# Altium PCB 28Pins_Project_V1I1_Pcb.PcbDoc (part 2 of 2)
Units mm, origin at the board's own origin, x right, y up, seen from the top; angles counter-clockwise.
Board outline 68.58 x 53.34 mm, 2 copper layers (L1, L2), stack 1.671 mm thick; 106 components, 71 nets, 323 pads, 105 vias.
Unrouted connection lines stored in the file: 2.
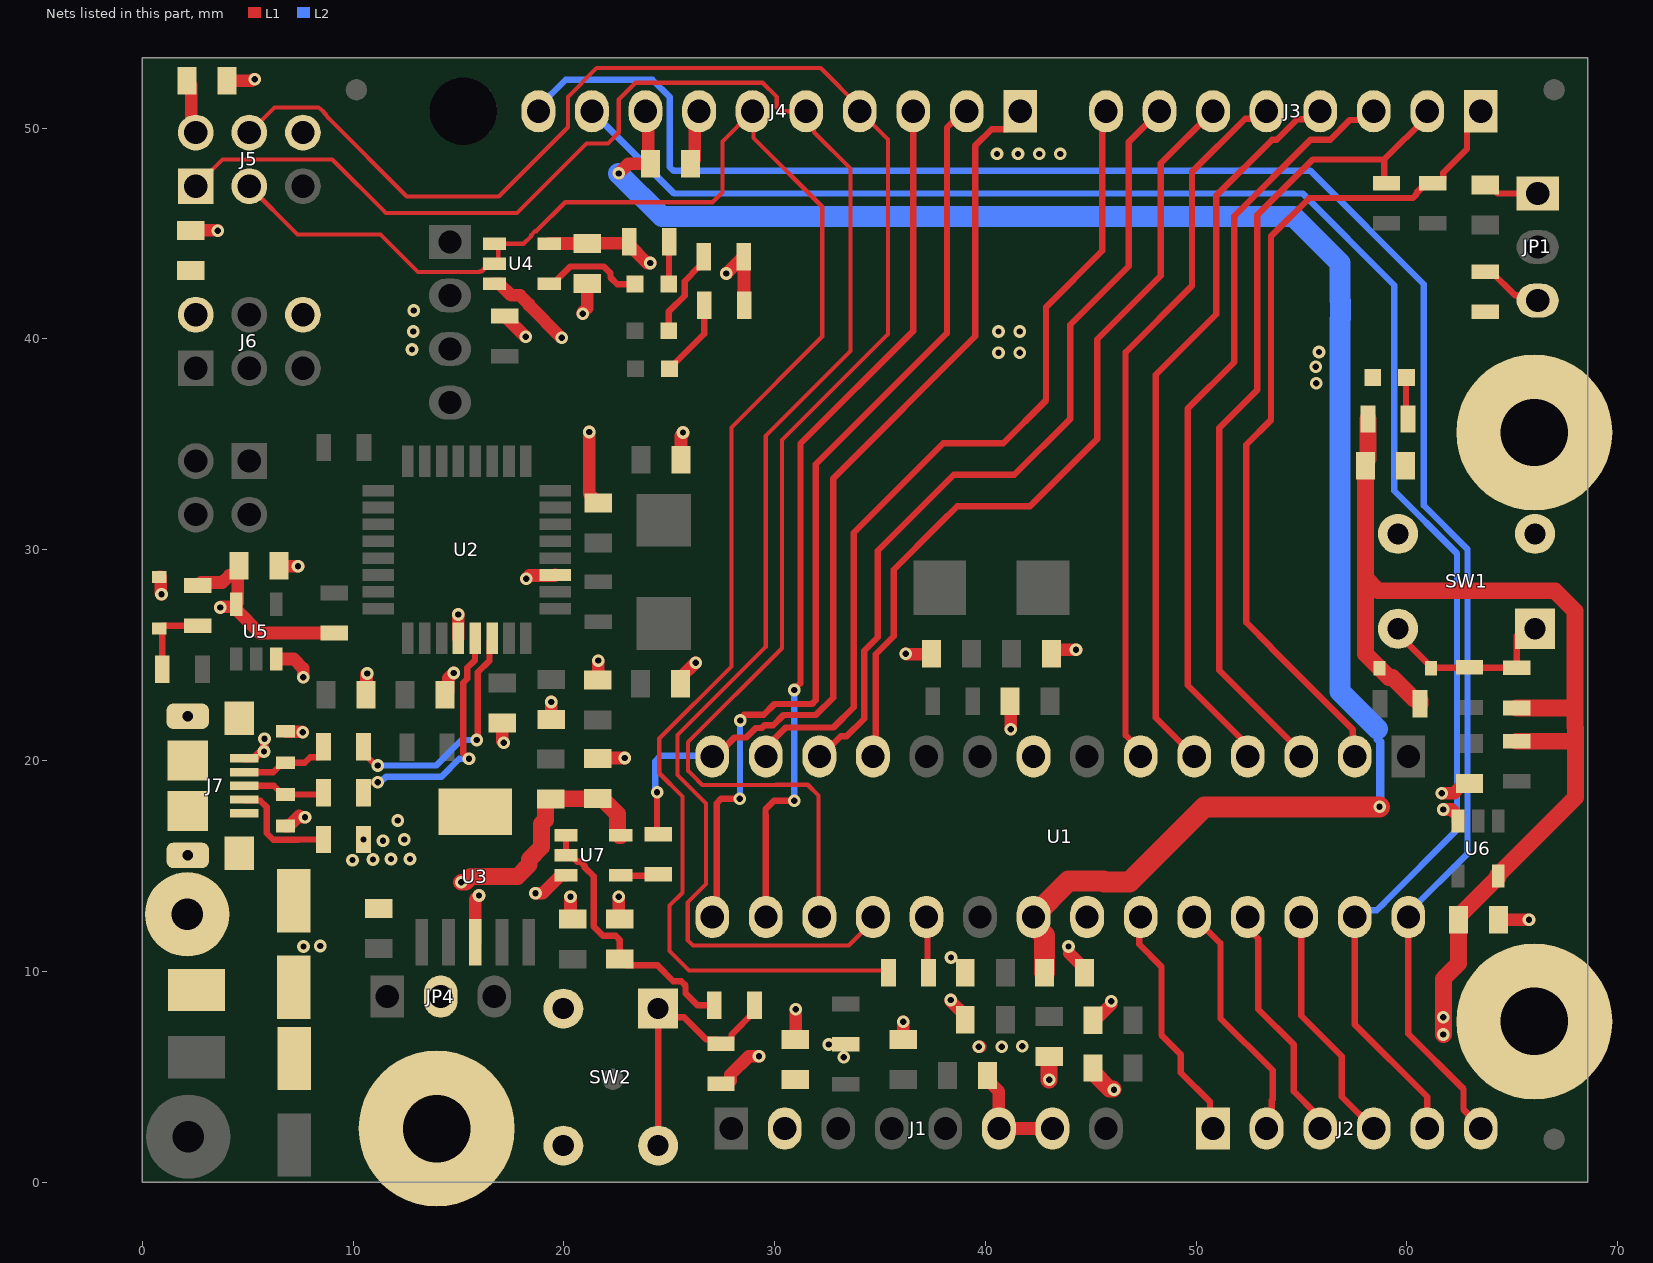
[diagram p2: the nets of this part, all layers, seen from the top]

## Via types
v1: diameter 0.6, hole 0.3, L1 to L2, 85 vias
v2: diameter 0.6, hole 0.3, L1 to L2, tented both sides, 20 vias

## Nets (pads, with @x,y where several pads share a name; then routed paths per layer and width w, separated by ;. In a path a pad name is that pad's centre, name@x,y a point inside that pad or via, vN(x,y) a via of type N, cw(c..) or ccw(c..) an arc to the next point about the centre after c; other vN are vias at no path point) (continued)
+5V/3V3: C8.2 C15.2 C17.2 C26.2 C28.2 C29.2 C30.2 C34.1 D5.1 D6.1 FB1.1 FB2.1 FB3.1 J1.2 J5.2 J6.2 JP4.2 R1.2 R2.2 R3.2 R4.2 R14.2 R15.2 R17.2 R18.2 R19.2 R20.2 R21.2 R27.2 R28.1 U4.5 U5.5 U6.5 U7.5 | length 94.5
  L1 w0.6: D5.1@0.876,28.702 D5.1@0.813,28.702 0.876,28.639 0.876,27.927 v2(0.914,27.889) ; C17.2@2.123,52.248 2.332,52.039 2.332,49.992 J5.2@2.54,49.784 ; R19.2@2.642,28.296 2.792,28.446 3.797,28.446 4.137,28.785 4.337,28.785 C30.2@4.524,28.972 ; v2(3.708,27.254) 3.747,27.292 4.36,27.292 4.46,27.192 4.46,27.161 5.571,26.05 R4.2@9.119,26.05 ; U5.5@4.46,27.411 4.524,27.475 C30.2@4.524,28.972 ; C30.2@4.587,29.235 4.587,29.035 C30.2@4.524,28.972 ; R1.2@17.196,41.082 18.178,40.1 v1(18.2,40.1) ; U4.5@19.309,44.511 19.321,44.524 21.095,44.524 C26.2@21.107,44.536 23.038,44.536 R15.2@23.104,44.602 23.104,44.45 23.954,43.6 v1(24.1,43.6) ; R21.2@27.457,4.663 27.757,4.663 27.907,4.813 27.907,5.1 28.777,5.969 v2(29.261,5.969) ; v1(27.7,43.1) 27.726,43.1 28.526,43.9 R2.2@28.534,43.891 28.547,43.878 28.547,41.618 R3.2@28.56,41.605
  L1 w0.8: v1(15.138,14.224) 15.331,14.224 15.603,14.496 17.796,14.496 18.361,15.061 18.361,15.307 18.95,15.895 18.95,16.999 19.13,17.179 19.13,18.126 19.18,18.176 FB1.1@19.38,18.176 19.388,18.184 21.608,18.184 C29.2@21.615,18.191 21.815,18.191 22.55,17.457 22.55,16.55 22.65,16.45 U7.5@22.7,16.45 ; v1(43.025,4.85) 43.025,5.956 FB3.1@43.028,5.959 ; FB2.1@45.1,5.41 45.1,5.21 45.894,4.417 v2@46.058,4.417 ; R17.2@58.15,36.2 58.15,34.306 58.029,34.185 C34.1@58.029,33.985 58.029,31.396 58.025,31.392 58.025,28.65 ; R14.2@60.615,22.682 60.615,22.882 60.565,22.932 60.313,22.932 59.313,23.932 59.151,23.932 D6.1@58.699,24.384 58.025,25.058 58.025,28.65 ; v2(61.725,7) v1(61.725,7.825) 61.725,9.649 62.448,10.372 C28.2@62.448,12.446 62.448,12.646 62.498,12.696 62.545,12.696 64.323,14.474 U6.5@64.323,14.524 64.323,14.574 68,18.251 68,20.8 ; R18.2@65.202,20.914 67.886,20.914 68,20.8 ; R20.2@65.202,22.494 67.894,22.494 67.975,22.575 ; 58.025,28.65 58.626,28.049 67.024,28.049 67.975,27.099 67.975,22.575 ; 67.975,22.575 67.975,21.575 68,21.55 68,20.8
  other v1: 12.8,39.5
  other v2: 46.1,4.375 33.275,5.925 32.575,6.525 12.85,40.35 12.875,41.35
+5V_USB: C1.1 J7.1 L1.1 | length 1.7
  L1 w0.4: J7.1@4.834,20.098 5.309,20.098 5.598,20.387 5.737,20.387 v1(5.775,20.425) 5.788,20.438 5.788,21.013 v2(5.8,21.025)
  other v1: 8.45,11.2
  other v2: 7.65,11.175
+AREF: C21.1 C24.2 J4.8 U1.21 | length 88.9
  L1 w0.6: v1(22.6,47.85) 23.061,48.311 C21.1@24.12,48.311 23.998,48.433 23.998,50.678 J4.8@23.876,50.8
  L1 w1: C24.2@42.799,9.931 42.799,11.697 42.285,12.211 42.285,12.611 43.947,14.273 45.6,14.273 45.629,14.243 46.843,14.243 50.4,17.8 v1(58.7,17.8)
  L2 w0.4: U1.21@42.285,12.373 U1.21@42.285,12.573 ; 58.6,21.5 58.6,21.015 58.725,20.89 58.725,17.825 v1(58.7,17.8)
  L2 w1: v1(22.6,47.85) 24.65,45.8 54.625,45.8 56.825,43.6 56.825,41.814 56.85,41.789 56.85,40.961 56.825,40.936 56.825,23.275 58.6,21.5 ; J4.8@23.876,50.438 J4.8@23.876,50.8
AD0: J2.1 U1.23 | length 11.5
  L1 w0.3: U1.23@47.365,12.573 47.3,12.508 47.3,11.275 48.35,10.225 48.35,6.975 49.275,6.05 49.275,5.192 50.653,3.814 50.653,2.687 J2.1@50.8,2.54
AD1: J2.2 U1.24 | length 11.7
  L1 w0.3: U1.24@49.905,12.573 51.15,11.328 51.15,7.775 53.625,5.3 53.625,3.926 53.589,3.889 53.589,2.789 J2.2@53.34,2.54
AD2: J2.3 U1.25 | length 11.3
  L1 w0.3: U1.25@52.445,12.573 52.445,12.052 52.95,11.547 52.95,8.2 54.625,6.525 54.625,4.3 55.71,3.215 J2.3@55.71,2.601
AD3: J2.4 U1.26 | length 11.5
  L1 w0.3: U1.26@54.985,12.573 54.985,7.89 56.911,5.964 56.911,4.049 J2.4@58.42,2.54
AD4/SDA: J2.5 J4.9 U1.27 | length 86.6
  L1 w0.3: U1.27@57.525,12.573 57.525,7.475 60.96,4.04 J2.5@60.96,2.54
  L2 w0.3: J4.9@21.336,50.8 21.336,50.789 25.225,46.9 55.05,46.9 59.4,42.55 59.4,32.793 62.372,29.821 62.372,16.707 58.915,13.249 58.915,13.24 58.57,12.895 57.847,12.895 U1.27@57.525,12.573
AD5/SCL: J2.6 J4.10 U1.28 | length 92.2
  L1 w0.3: U1.28@60.065,12.573 60.065,7.035 62.682,4.418 62.682,3.441 63.5,2.623 J2.6@63.5,2.54
  L2 w0.3: J4.10@18.796,50.8 18.796,51 20.095,52.299 24.204,52.299 25.026,51.476 25.026,48.151 25.202,47.975 55.425,47.975 60.8,42.6 60.8,32.1 62.872,30.028 62.872,15.58 60.065,12.773 U1.28@60.065,12.573
BUTTON_RESETn: D6.2 R20.1 R24.1 SW1.1 SW1.2 | length 9
  L1 w0.3: SW1.2@59.031,26.249 59.337,26.249 61.138,24.447 D6.2@61.138,24.384 61.156,24.402 62.949,24.402 R24.1@62.967,24.42 62.979,24.407 65.189,24.407 R20.1@65.202,24.394 65.202,25.92 SW1.1@65.531,26.249
CON_USB_N: J7.2 R6.1 Z1.1 | length 4.4
  L1 w0.3: J7.2@4.834,19.448 6.218,19.448 6.657,19.887 Z1.1@6.807,19.887 7.707,19.887 7.971,20.15 8.4,20.15 8.6,20.35 R6.1@8.6,20.65
CON_USB_P: J7.3 R7.1 Z2.1 | length 4
  L1 w0.3: J7.3@4.834,18.798 6.249,18.798 6.657,18.39 8.524,18.39 R7.1@8.6,18.466
GND: C1.2 C2.2 C3.2 C4.1 C5.1 C6.1 C7.1 C8.1 C9.2 C10.2 C12.1 C13.2 C14.1 C15.1 C16.1 C17.1 C19.2 C20.1 C21.2 C22.2 C23.1 C24.1 C25.2 C26.1 C27.2 C28.1 C29.1 C30.1 C31.1 C32.1 C33.1 C34.2 D1.1 J1.6 J1.7 J4.7 J5.6 J6.6 J7.5 J7.6 J7.7 J7.8 J7.9 J7.10 J7.11 J9.1 MH1.1 MH2.1 MH3.1 R8.2 R12.1 SW1.3 SW1.4 SW2.3 SW2.4 U1.8 U1.22 U2.3 U2.28 U3.3 U3.6 U4.3 U5.3 U6.3 U7.3 Z1.2 Z2.2 | length 56.7
  L1 w0.6: C8.1@2.311,45.146 3.568,45.146 v1(3.58,45.134) ; C17.1@4.023,52.248 5.204,52.248 5.28,52.324 v1(5.334,52.324) ; U5.3@6.36,24.811 7.193,24.811 7.636,24.368 v1(7.636,23.943) ; C30.1@6.487,29.235 6.513,29.21 v1(7.391,29.21) ; Z2.2@6.807,16.89 6.957,16.89 7.443,17.375 7.518,17.3 v1(7.721,17.3) ; Z1.2@6.807,21.387 6.833,21.361 7.595,21.361 v1(7.62,21.336) ; C31.1@10.612,23.114 10.64,23.142 10.64,24.102 v1(10.668,24.13) ; C7.1@14.361,23.114 14.511,23.264 14.511,23.886 v1(14.775,24.15) ; v1(14.986,26.924) 15,26.91 U2.28@15,25.8 ; U3.3@15.8,11.375 15.8,13.42 v1(15.976,13.596) ; U4.3@16.709,42.611 16.959,42.611 17.506,42.063 17.922,42.063 18.346,41.639 18.346,41.604 v1(19.9,40.05) ; C6.1@17.075,21.775 17.075,20.922 v1(17.151,20.845) ; v1(18.225,28.625) 18.375,28.775 19.575,28.775 U2.3@19.6,28.8 ; v1(18.657,13.697) 18.997,13.697 19.85,14.55 U7.3@20.1,14.55 ; C4.1@19.349,21.899 C4.1@19.4,21.95 v1(19.4,22.775) ; v1(20.32,13.538) 20.32,12.573 C13.2@20.422,12.471 ; v1(20.9,41.2) 20.9,41.254 21.107,41.462 C26.1@21.107,42.636 ; v1(21.209,35.585) 21.209,32.649 C5.1@21.641,32.217 ; C29.1@21.615,20.091 21.641,20.117 v1(22.885,20.117) ; C3.2@21.615,23.825 21.59,23.851 21.641,23.901 v1(21.641,24.74) ; v1(22.606,13.538) 22.606,12.532 C33.1@22.657,12.482 ; C10.2@25.537,23.647 25.537,23.937 26.238,24.638 v1(26.264,24.638) ; C9.2@25.563,34.265 25.563,35.414 25.654,35.506 v1(25.654,35.56) ; C21.2@26.02,48.311 26.218,48.509 26.218,50.602 J4.7@26.416,50.8 ; C15.1@30.988,6.767 31,6.779 v1(31,8.2) ; C16.1@36.093,6.767 36.068,6.792 36.1,6.824 v1(36.1,7.6) ; v1(36.22,25.07) 36.246,25.044 C25.2@37.49,25.044 ; v1(38.354,8.636) 38.354,8.587 39.045,7.896 C22.2@39.045,7.696 ; v1(39.681,6.425) v1@39.762,6.425 ; C14.1@40.112,5.075 C14.1@40.091,5.055 40.091,4.855 40.64,4.306 J1.6@40.64,2.54 J1.7@43.18,2.54 ; C20.1@41.163,22.809 41.199,22.774 v1(41.199,21.488) ; C27.2@43.129,25.07 43.307,25.248 v1(44.298,25.248) ; 43.98,10.85 44.699,10.131 C24.1@44.699,9.931 ; C19.2@45.1,7.671 45.151,7.62 45.974,8.443 v1(45.974,8.585) ; v1(61.65,18.45) 62.229,18.45 62.829,19.05 C32.1@62.967,18.913 ; v1(61.722,17.675) 62.122,17.675 62.423,17.374 U6.3@62.423,17.124 ; C28.1@64.348,12.446 v1(65.786,12.446)
  other v1: 40.775,6.425 41.75,6.45 38.37,10.652 43.942,11.176 55.7,37.9 55.675,38.675 40.625,39.35 41.625,39.35 55.825,39.375 40.625,40.35 41.625,40.35 40.55,48.775 41.55,48.775 42.55,48.775 43.55,48.775
  other v2: 9.975,15.275 10.95,15.3 11.8,15.325 12.7,15.325 11.425,16.2 10.5,16.25 12.425,16.25 12.125,17.15
IO0: J3.1 R10.2 U1.2 | length 40.6
  L1 w0.3: U1.2@57.525,20.193 57.433,20.285 57.433,21.467 53.55,25.35 53.55,25.375 52.375,26.55 52.375,34.975 53.55,36.15 53.55,44.875 55.356,46.681 60.276,46.681 60.452,46.857 60.452,46.919 60.914,47.381 61.514,47.381 61.714,47.581 61.714,47.881 62.85,49.017 62.85,50.15 J3.1@63.5,50.8
IO1: J3.2 R11.2 U1.3 | length 39.5
  L1 w0.3: U1.3@54.985,20.193 54.985,20.393 51.1,24.278 51.1,35.775 52.9,37.575 52.9,45.875 55.539,48.514 58.928,48.514 ; R11.2@59.03,47.381 58.928,47.483 58.928,48.514 ; J3.2@60.96,50.8 60.96,50.546 58.928,48.514
IO2: J3.3 U1.4 | length 36.4
  L1 w0.3: U1.4@52.445,20.193 52.445,20.73 49.6,23.575 49.6,36.7 51.8,38.9 51.8,45.825 55.425,49.45 56.356,49.45 57.289,50.383 58.003,50.383 J3.3@58.42,50.8
IO3: J3.4 U1.5 | length 35.1
  L1 w0.3: U1.5@49.905,20.193 48.075,22.023 48.075,38.3 50.95,41.175 50.95,46.8 53.6,49.45 53.816,49.45 54.787,50.421 55.501,50.421 J3.4@55.88,50.8
IO4: J3.5 U1.6 | length 34.1
  L1 w0.3: U1.6@47.365,20.193 47.365,20.482 46.65,21.197 46.65,39.375 49.8,42.525 49.8,47.925 52.324,50.449 52.989,50.449 J3.5@53.34,50.8
IO5: J3.6 U1.11 | length 39.3
  L1 w0.3: U1.11@34.665,20.193 34.798,20.326 34.798,25.044 35.65,25.896 35.65,29.055 37.845,31.25 38.66,32.065 42.115,32.065 45.3,35.25 45.3,39.975 48.325,43 48.325,48.325 J3.6@50.8,50.8
IO6: J3.7 U1.12 | length 39.2
  L1 w0.3: U1.12@32.125,20.193 32.188,20.193 33.14,21.145 33.411,21.145 34.25,21.984 34.25,25.203 34.9,25.854 34.9,29.95 38.5,33.55 41.375,33.55 44.025,36.2 44.025,40.675 46.8,43.45 46.8,49.34 J3.7@48.26,50.8
IO7: J3.8 U1.13 | length 40.3
  L1 w0.3: U1.13@29.585,20.193 29.585,20.619 30.531,21.565 32.791,21.565 33.75,22.523 33.75,30.8 38,35.05 40.85,35.05 42.875,37.075 42.875,41.5 45.55,44.175 45.55,50.63 J3.8@45.72,50.8
IO8: J4.1 R22.2 U1.14 | length 44.9
  L1 w0.3: v1(24.425,18.5) 24.425,16.55 R22.2@24.475,16.5 ; U1.14@27.045,20.193 27.197,20.193 28.096,21.092 28.658,21.092 29.109,21.543 29.387,21.543 29.518,21.674 29.933,21.674 30.42,22.16 31.96,22.16 32.775,22.976 32.775,33.375 39.525,40.125 39.525,49.177 40.298,49.95 41.006,49.95 41.656,50.6 J4.1@41.656,50.8
  L2 w0.3: v1@24.333,18.745 24.333,19.964 24.587,20.218 27.02,20.218 U1.14@27.045,20.193
IO9: J4.2 U1.15 | length 45.4
  L1 w0.3: U1.15@27.045,12.573 27.25,12.778 27.25,17.979 27.457,18.186 v1(28.346,18.186) ; v1(28.372,21.895) 28.372,21.976 28.548,22.152 28.548,22.174 29.489,22.174 29.997,22.682 31.774,22.682 31.95,22.858 31.95,34.05 38.175,40.275 38.175,50.022 38.351,50.197 38.362,50.197 38.964,50.8 J4.2@39.116,50.8
  L2 w0.3: v1(28.346,18.186) 28.359,18.199 28.359,21.882 v1(28.372,21.895)
MISO: J4.5 J5.1 U1.18 | length 89
  L1 w0.2: J5.1@2.54,47.244 3.81,48.514 9.017,48.514 11.557,45.974 17.78,45.974 21.082,49.276 22.098,49.276 22.606,49.784 22.606,51.356 23.4,52.15 29.432,52.15 30.106,51.476 30.106,50.976 30.282,50.8 J4.5@31.496,50.8 31.496,50.248 31.869,49.875 31.869,49.806 33.6,48.075 33.6,39.425 29.575,35.4 29.575,25.383 25.395,21.203 25.395,19.31 25.748,18.957 26.75,17.955 26.75,14.143 25.875,13.267 25.875,11.476 26.127,11.223 33.515,11.223 34.665,12.373 U1.18@34.665,12.573
MOSI: J4.4 J5.4 U1.17 | length 83.6
  L1 w0.2: J5.4@5.08,49.784 6.28,50.984 8.35,50.984 cw(c7.73,49.976) 8.567,50.813 cw(c7.262,49.509) 8.833,50.476 12.548,46.761 16.916,46.761 20.193,50.038 20.193,51.483 21.559,52.849 32.187,52.849 J4.4@34.036,51 ; U1.17@32.125,12.573 32.08,12.618 32.08,18.339 31.572,18.847 30.065,18.847 30.061,18.843 26.569,18.843 26.129,19.283 25.895,19.517 25.895,20.869 30.35,25.324 30.35,35.2 35.375,40.225 35.375,49.461 J4.4@34.036,50.8
NetC11_1: C11.1 JP1.1 | length 2.7
  L1 w0.3: C11.1@63.703,47.305 63.903,47.305 64.308,46.9 JP1.1@66.2,46.9
NetD1_2: D1.2 R17.1 | length 2
  L1 w0.3: D1.2@59.975,38.175 59.95,38.15 59.95,36.3 R17.1@60.05,36.2
NetD2_1: D2.1 U4.4 | length 4.9
  L1 w0.3: U4.4@19.309,42.687 19.559,42.687 20.308,43.436 21.902,43.436 22.217,43.122 22.217,42.91 22.531,42.596 D2.1@23.381,42.596
NetD2_2: D2.2 R15.1 | length 2
  L1 w0.3: D2.2@24.981,42.596 24.992,42.607 24.992,44.591 R15.1@25.004,44.602
NetD3_2: D3.2 R2.1 | length 4.2
  L1 w0.3: D3.2@24.981,40.386 24.981,41.301 25.731,42.051 25.731,42.736 26.386,43.391 26.434,43.391 26.634,43.591 R2.1@26.634,43.891
NetD4_2: D4.2 R3.1 | length 3.7
  L1 w0.3: D4.2@25.006,38.583 26.66,40.236 R3.1@26.66,41.605
NetD5_2: D5.2 R19.1 R23.1 | length 3.9
  L1 w0.3: D5.2@0.813,26.264 D5.2@0.826,26.264 ; R23.1@0.955,24.333 0.955,26.134 D5.2@0.826,26.264 ; R19.1@2.642,26.396 1.008,26.396 0.876,26.264 D5.2@0.826,26.264
NetJ7_4: J7.4 R8.1 | length 5.3
  L1 w0.3: J7.4@4.834,18.148 4.884,18.098 5.604,18.098 5.908,17.794 5.908,16.544 6.212,16.24 7.402,16.24 7.413,16.25 R8.1@8.6,16.25
NetJP1_3: JP1.3 R12.2 | length 3.1
  L1 w0.3: R12.2@63.703,43.19 64.003,43.19 65.125,42.069 65.951,42.069 JP1.3@66.2,41.82
NetR22_1: R22.1 U7.4 | length 1.8
  L1 w0.3: U7.4@22.585,14.544 22.59,14.539 24.328,14.539 R22.1@24.333,14.534
SCK: J4.6 J5.3 R13.2 U4.1 U4.2 | length 86.8
  L1 w0.2: J5.3@5.08,47.244 7.366,44.958 11.303,44.958 13.081,43.18 16.003,43.18 16.034,43.211 16.109,43.211 16.459,43.561 U4.2@16.709,43.561 16.891,43.743 16.891,44.329 U4.1@16.709,44.511 18.095,44.511 18.459,44.875 18.459,44.935 18.634,45.111 18.695,45.111 20.066,46.482 27.051,46.482 27.523,46.954 27.523,49.367 J4.6@28.956,50.8 28.999,50.757 28.999,49.526 32.258,46.267 32.258,40.108 27.95,35.8 27.95,24.465 24.525,21.04 24.525,19.396 25.625,18.296 25.625,13.725 25.019,13.119 25.019,10.956 25.942,10.033 35.296,10.033 R13.2@35.397,9.931
"SCK R": R13.1 U1.19 | length 2.7
  L1 w0.3: U1.19@37.205,12.573 37.251,12.527 37.251,9.978 R13.1@37.297,9.931
SS: J4.3 U1.16 | length 41.7
  L1 w0.3: U1.16@29.585,12.573 29.585,17.405 29.566,17.424 29.566,17.678 29.972,18.085 v1(30.937,18.085) ; v1(30.937,23.343) 30.937,23.381 31.225,23.668 31.225,35.025 36.576,40.376 J4.3@36.576,50.8
  L2 w0.3: v1(30.937,18.085) v1(30.937,23.343)
USB_N: R6.2 U2.30 | length 11.5
  L1 w0.3: R6.2@10.5,20.65 10.5,20.35 11.032,19.819 11.119,19.819 v1(11.176,19.761) ; v1(15.875,20.975) 15.925,21.025 15.925,24.185 16.475,24.735 16.475,25.675 U2.30@16.6,25.8
  L2 w0.3: v1(11.176,19.761) 13.942,19.761 15.156,20.975 v1(15.875,20.975)
USB_P: R7.2 U2.29 | length 12.5
  L1 w0.3: R7.2@10.3,17.966 10.5,18.166 R7.2@10.5,18.466 10.5,18.766 10.7,18.966 11.171,18.966 v1(11.176,18.961) ; v1(15.5,20.075) 15.225,20.35 15.225,23.681 15.425,23.881 15.425,24.392 15.787,24.754 15.787,25.787 U2.29@15.8,25.8
  L2 w0.3: v1(11.176,18.961) 11.257,18.961 11.407,19.111 11.445,19.111 11.562,19.228 14.199,19.228 15.046,20.075 v1(15.5,20.075)
USER_BUTTON: R21.1 R25.1 SW2.1 SW2.2 | length 12.8
  L1 w0.3: SW2.2@24.475,1.728 SW2.1@24.475,8.228 24.876,7.827 25.699,7.827 26.763,6.763 27.257,6.763 R21.1@27.457,6.563 27.757,6.563 27.957,6.763 27.957,6.997 29.042,8.082 R25.1@29.042,8.382
USER_BUTTON_BUF: C33.2 R25.2 U7.1 U7.2 | length 13.2
  L1 w0.3: U7.2@19.985,15.494 20.356,15.494 20.65,15.2 20.795,15.2 21,14.995 21,14.925 21.422,14.503 21.422,12.122 21.862,11.682 22.457,11.682 22.657,11.482 C33.2@22.657,10.582 22.957,10.282 24.443,10.282 25.196,9.528 25.57,9.528 25.775,9.323 25.775,8.949 26.342,8.382 R25.2@27.142,8.382 ; U7.2@20.1,15.5 U7.1@20.1,16.45
pads on no net: FID1.1 FID2.1 FID3.1 FID4.1 J1.1 J1.8 MH4.1 U2.5 U2.6 U2.7 U2.12 U2.14 U2.22 U2.23 U2.25 U2.26

## Polygon pours and split planes (outlines as drawn)
+5V_USB on L2 "+5V_USB_L02_P013" (solid, remove dead copper, pour order 13): 7.25,14.65 7.25,14.483 7.25,10.9 8.9,10.9 8.9,15.1 7,17 7,21.3 5.5,21.3 5.5,16.4
GND on L2 "GND_L02_P021" (solid, remove dead copper, pour order 21): 3.58,45.134 6.5,42.214 6.5,32.3 6.8,32 7.1,31.7 7.1,14.825 15.275,14.825 15.5,14.6 15.5,13.3 15.8,13 24.2,13 29.2,8 35.1,8 37.1,6 43.6,6 46.2,8.6 56,8.6 56,40.65 22.05,40.65 20.8,41.9 16.8,37.9 12.3,37.9 12.3,44.5 11.9,44.5 9.5,46.9 9.5,47 8.9,47 8.9,52.9 0.6,52.9 0.6,50.9
+5V/3V3 on L2 "+5V/3V3_L02_P017" (solid, remove dead copper, pour order 17): 28,42.9 28,44.325 12.5,44.325 12.5,38.1 16.9,38.1 21.7,42.9
GND on L2 "GND_L02_P022" (solid, remove dead copper, pour order 22): 56,18.7 67.1,18.7 67.1,13.175 67.081,13.156 61.097,13.156 61.103,13.15 67.1,13.15 67.1,11.7 67.032,8.5 62.2,8.5 62.1,8.6 56,8.6
+5/3V3_328P_VCC on L2 "+5/3V3_328P_VCC_L02_P005" (solid, remove dead copper, pour order 5): 48.8,15.8 48.8,9.9 45.7,9.9 45.7,15.8
+5V on L2 "+5V_L02_P006" (solid, remove dead copper, pour order 6): 0.3,0.3
+5V on L2 "+5V_L02_P008" (solid, remove dead copper, pour order 8): 0.3,0.3 0.3,5.5 7.7,5.5 10.8,8.6 10.8,9.8 12.4,9.8 12.4,7.2 18.9,7.2 21.275,4.825 26.6,4.825 26.6,1 37,1 37,3.6 38.9,3.6 38.9,0.3
+3V3 on L2 "+3V3_L02_P012" (solid, remove dead copper, pour order 12): 36.7,1.3 36.7,3.575 35.2,5.075 29.225,5.075 28.5,5.8 27.3,7 23.3,7 23.3,9.1 22.3,10.1 15.9,10.1 15.9,7.2 18.9,7.2 21.175,4.925 26.025,4.925 27.05,3.9 34.5,3.9 34.5,1.3
+5V/3V3 on L2 "+5V/3V3_L02_P015" (solid, remove dead copper, pour order 15): 62,4.3 62,8.1 46,8.1 43.7,5.8 37,5.8 35,7.8 29.1,7.8 24.1,12.8 15.6,12.8 15.2,13.2 15.2,14.5 9.3,14.5 9.3,10.525 7.625,10.525 7.3,10.85 7.3,14 4.9,16.4 4.9,22.2 5.1,22.4 6.8,22.4 6.8,31.7 6.2,32.3 6.2,41.9 3.2,44.9 3.2,48.2 3.4,48.4 3.4,50.6 0.6,50.6 0.6,5.7 7.3,5.7 11.7,10.1 12.7,10.1 12.7,7.6 12.8,7.5 15.5,7.5 15.5,10.1 15.6,10.2 22.7,10.2 23.5,9.4 25.5,9.4 25.6,9.3 25.6,7.4 25.8,7.2 27.4,7.2 29.575,5.025 35.7,5.025 36.725,4 61.7,4
+5V/3V3 on L2 "+5V/3V3_L02_P016" (solid, remove dead copper, pour order 16): 28,42.7
GND on L2 "GND_L02_P018" (solid, remove dead copper, pour order 18): 25.5,52.999 25.5,48.475 65,48.475 65,52.9
GND on L2 "GND_L02_P019" (solid, remove dead copper, pour order 19): 45.1,54.3
GND on L2 "GND_L02_P020" (solid, remove dead copper, pour order 20): 0.6,50.9 3.7,50.9 3.7,44.9
+5V/3V3 on L1 "+5V/3V3_L01_P031" (solid, remove dead copper, pour order 31): 29.025,1.525 29.025,4 32.225,7.2 34.125,7.2 34.125,5.125 32.525,5.125 32.525,4.175 31.825,3.475 31.825,1.55 28.95,1.55 28.925,1.525
GND on L1 "GND_L01_P041" (solid, remove dead copper, pour order 41): 20.975,2.625 20.95,2.65 20.025,2.65 20.025,7.25 20,7.275 20.025,7.3 20.975,7.3 20.975,9.175 20.95,9.2 20.925,9.175 18.425,9.175 18.425,7.535 10.84,7.535 10.8,7.575 10.85,7.625 10.85,12.229 12.177,12.229 12.189,12.241 12.189,13.264 12.625,13.7 13.625,13.7 13.625,15.7 13.6,15.725 14.125,16.25 17.575,16.25 17.575,18.675 11.775,18.675 11,17.9 11,17.525 10.75,17.525 9.5,16.275 9.5,15.35 8.175,15.35 7.475,16.05 5.725,16.05 5.725,17.6 5.425,17.9 4.125,17.9 4.125,20.45 4.875,21.2 5.325,21.2 5.325,22.8 1.15,22.8 0.95,22.6 0.95,10.65 5.2,10.65 6.4,11.85 6.575,11.675 8.85,11.675 8.175,8.25 6.4,7.675 6.425,7.65 6.425,4.35 7.05,4.35 10.675,0.725 20.975,0.725
+5V on L1 "+5V_L01_P029" (solid, remove dead copper, pour order 29): 12.375,7.825 12.45,7.825 13,8.375 13,9.5 13.725,10.225 15.05,10.225 15.05,13.275 14.625,13.7 12.625,13.7 12.05,13.125 12.05,12.45 10.45,12.45 10.825,12.075 10.825,7.8 12.45,7.8
GND on L1 "GND_L01_P040" (solid, remove dead copper, pour order 40): 42.15,39.05 42.15,42.025 43.85,43.725 43.85,49.075 40.425,49.075 40.275,48.925 40.225,48.925 40.225,39.05
GND on L1 "GND_L01_P037" (solid, remove dead copper, pour order 37): 55.4,39.237 56.838,40.675 60.4,40.675 60.4,40.733 61.317,41.65 64.913,41.65 64.9,41.637 64.9,41.075 65.4,40.575 67,40.575 67,30.375 66.875,30.375 66.325,29.825 59.2,29.825 58.575,30.45 58.575,32.35 59.475,33.25 59.475,34.65 60.1,34.65 60.675,35.225 60.625,35.275 60.625,38.65 59.55,38.65 58.8,37.9 58.8,37.35 58.775,37.375 55.825,37.375 55.4,37.8
+5/3V3_328P_VCC on L1 "+5/3V3_328P_VCC_L01_P036" (solid, remove dead copper, pour order 36): 45.9,10.55 45.925,10.525 45.925,9.375 46.025,9.375 46.625,8.775 46.625,4.675 47.85,4.675 47.875,4.65 47.875,10.525 45.9,10.525
+5/3V3_328P_AVCC on L1 "+5/3V3_328P_AVCC_L01_P035" (solid, remove dead copper, pour order 35): 38.725,13.55 38.725,11.9 40.025,10.6 40.475,10.6 40.475,7.025 43.925,7.025 43.925,8.625 43.95,8.65 43.675,8.925 42.025,8.925 41.65,9.3 41.65,11.325 40.95,12.025 40.95,13.55
GND on L1 "GND_L01_P034" (solid, remove dead copper, pour order 34): 44,1.375 44,3.6 43.425,4.175 42.175,4.175 42.175,6.725 39.375,6.725 39.375,6.625 39.375,1.4 39.45,1.4 39.475,1.375
+5V on L1 "+5V_L01_P033" (solid, remove dead copper, pour order 33): 37.2,8.8 38.075,7.925 38.075,6.825 39.025,5.875 39.025,1.35 37.225,1.35 37.2,1.375 37.2,7.375 36.35,8.225 32.725,8.225 32.725,8.8
+3V3 on L1 "+3V3_L01_P032" (solid, remove dead copper, pour order 32): 34.5,1.325 34.575,1.25 36.825,1.25 36.825,5.3 36.75,5.375 36.7,5.325 34.325,5.325 34.125,5.125 32.525,5.125 32.525,4.175 32.65,4.05 33.85,4.05 34.525,3.375 34.525,1.275
+5V/3V3 on L1 "+5V/3V3_L01_P030" (solid, remove dead copper, pour order 30): 1.65,43.7 1.6,43.65 1.6,40.275 3.875,40.275 3.875,42.275 3.925,42.325 8.4,42.325 8.925,41.8 8.875,41.75 8.875,40 9.925,38.95 13.375,38.95 13.375,42.275 12.025,43.625 1.625,43.625 1.575,43.675
+3V3 on L1 "+3V3_L01_P028" (solid, remove dead copper, pour order 28): 18.4,7.525 18.425,7.5 18.425,9.55 19.2,9.55 19.8,10.15 21.075,10.15 21.075,11.55 20.675,11.95 20.625,11.9 19.55,11.9 18.9,12.55 16.65,12.55 16.65,10.775 15.675,9.8 15.675,7.525
+5V_USB on L1 "+5V_USB_L01_P027" (solid, remove dead copper, pour order 27): 9.375,7.1
+5V_USB on L1 "+5V_USB_L01_P026" (solid, remove dead copper, pour order 26): 8.033,7.675 8.75,8.392 8.75,11.45 6.35,11.45 6.35,10.65 5.8,10.1 1.225,10.1 1.225,7.675
no net on L1 "NONET_L01_P025" (solid, remove dead copper, pour order 25): 0.375,0.425
+5V on L1 "+5V_L01_P024" (solid, remove dead copper, pour order 24): 8.025,0.25 8.025,3.275 4.472,3.275 4.1,3.647 4.1,6.925 1.05,6.925 1.05,0.25

## Other copper
L2:
  pour cut-out: 62.175,19.475 62.15,19.45 62.15,15.575 62.85,15.575 62.875,15.55 62.941,15.616 62.941,19.4 62.175,19.4 62.15,19.375
  pour cut-out: 58.025,17.633 58.025,17.125 59.2,17.125 59.265,17.19 59.265,17.566 58.092,17.566

## Silkscreen, mask and mechanical layers (free items; w line width, h text height)
Top Overlay:
  text "ICSP" at 5.175,51.425 h1
  text "ICSP1" at 4.047,42.73 h1
  text "T" at 21.35,39.75 h1
  text "R" at 21.4,38.125 h1
  text "Begue Cedric" at 28.225,36.858 h1
  text "based on :" at 28.2,35 h1
  text "3" at 0.275,33.725 h1
  text "www.fedevel.com" at 34.225,33.425 h1
  text "\"Learn to design your own boards\" - 28pins project" at 27,32.175 h0.6
  text "2" at 6.7,31.375 h1
  text "4" at 0.275,31.15 h1
  text "RESET" at 58.15,26.425 h1 r90
  text "USER" at 18.925,3.575 h1 r90
Bottom Overlay:
  text "AD4/SDA" at 21.639,49.225 h1 r90
  text "+AREF" at 24.125,49.225 h1 r90
  text "GND" at 26.639,49.225 h1 r90
  text "SCK" at 29.264,49.225 h1 r90
  text "MISO" at 31.789,49.225 h1 r90
  text "MOSI" at 34.339,49.225 h1 r90
  text "SS" at 36.889,49.225 h1 r90
  text "IO9" at 39.489,49.225 h1 r90
  text "IO8" at 41.914,49.225 h1 r90
  text "IO7" at 46.039,49.225 h1 r90
  text "IO6" at 48.564,49.225 h1 r90
  text "IO5" at 51.139,49.225 h1 r90
  text "IO4" at 53.639,49.225 h1 r90
  text "IO3" at 56.239,49.225 h1 r90
  text "IO2" at 58.739,49.225 h1 r90
  text "IO1" at 61.189,49.225 h1 r90
  text "IO0" at 63.814,49.225 h1 r90
  text "AD5/SCL" at 18.989,49.1 h1 r90
  text ".versionrevision" at 54.722,29.025 h3
  text "+5V" at 11.386,10.325 h1 r270
  text "+5V3V3" at 13.811,10.325 h1 r270
  text "3V3" at 16.386,10.325 h1 r270
  text "-" at 2.5,9.123 h3
  text "+" at 1.214,5.025 h3 r270
  text "+5V/3V3" at 30.161,4.075 h1 r270
  text "328P_RESETn" at 32.703,4.075 h1 r270
  text "+3V3" at 35.261,4.075 h1 r270
  text "+5V" at 37.836,4.075 h1 r270
  text "GND" at 40.286,4.075 h1 r270
  text "GND" at 42.861,4.075 h1 r270
  text "A0" at 50.536,4.075 h1 r270
  text "A1" at 53.025,4.075 h1 r270
  text "A2" at 55.6,4.075 h1 r270
  text "A3" at 58.161,4.075 h1 r270
  text "A4" at 60.675,4.075 h1 r270
  text "A5" at 62.461,4.075 h1 r270
Mechanical Drawing:
  circle w1.016: c66.04,35.56 r1.6
  circle w1.016: c66.04,7.62 r1.6
  circle w1.016: c13.97,2.54 r1.6
  circle w1.016: c15.24,50.8 r1.6
  circle w1.016: c15.24,50.8 r1.6
  lines w0.3: 53.34,0 68.58,0 ; 68.58,0 0,0 0,53.34 68.58,53.34 68.58,0
  text "Mechanical drawing" at 0.165,67.538 h4
  text "of 28 Pins .VersionRevision" at -0.216,58.585 h4
  text "units : mils" at -29.472,-8.009 h2
  text "scale 1:1" at -23.376,-12.962 h2
Manufacturing Notes:
  lines w0.254: -23.268,-56.552 69.232,-56.552 ; -23.268,-56.477 -23.268,-46.477 ; -23.268,-36.552 69.232,-36.552 ; 16.732,-46.552 16.732,-36.552 ; 51.732,-36.552 51.732,-29.052 ; 69.232,-56.477 69.232,-46.477 ; -23.268,-46.552 69.232,-46.552 69.232,-29.052 -23.268,-29.052 -23.268,-46.552
  text "Files" at 3.358,105.205 h1.52
  text "Board info" at 84.823,105.205 h1.52
  text "*.GTO - Top Overlay" at 3.358,102.705 h1.52
  text "Minimum Track: 200um (around clk only) Prefered track width : 0.3mm" at 84.823,102.705 h1.52
  text "*.GTP - Top Paste" at 3.358,100.205 h1.52
  text "Minimum Track and Component Clearance: 200um" at 84.823,100.205 h1.52
  text "*.GTS - Top Solder" at 3.358,97.705 h1.52
  text "Minimum Through Hole VIA: 0.6mm (pad) / 0.3mm (drill). Drilling: L1-L2" at 84.823,97.705 h1.52
  text "*.GTL - L1 (Positive)" at 3.358,95.205 h1.52
  text "*.GBL - L2 (Positive)" at 3.358,92.705 h1.52
  text "1. FINISHED PANEL THICKNESS IS NOT CRITICAL: TO BE APPROXIMATELY 1.6mm" at 84.823,92.705 h1.52
  text "*.GBS - Bottom Solder" at 3.358,90.205 h1.52
  text "*.GBO - Bottom Overlay" at 3.358,87.705 h1.52
  text "2. BOARD FINISH: NONE" at 84.823,87.705 h1.52
  text "*.GM2 - Mechanical Drawing" at 3.358,85.205 h1.52
  text "*.GM3 - Manufacturing Notes" at 3.358,82.705 h1.52
  text "3. SOLDER RESIST: APPLY TO BOTH SIDES COLOUR - GREEN" at 84.823,82.705 h1.52
  text "*.GM4 - Licence" at 3.358,80.205 h1.52
  text "*.GM28 - Board Outline" at 3.358,77.705 h1.52
  text "4. COMPONENT IDENT: COLOUR TO BE WHITE" at 84.823,77.705 h1.52
  text "5. PANELIZE THE BOARD (4PCS PER PANEL). PLACE FIDUCIALS ON THE PANEL STRIPS AS FOLLOWS:" at 84.823,72.705 h1.52
  text "- FIDUCIAL DIAMTER 1-1.5MM, SOLDER MASK OPENING AT LEAST 1MM GREATER THAN FIDUCIAL" at 89.823,70.205 h1.52
  text "- MINIMUM 4MM DISTANCE FROM THE PANEL EDGE" at 89.823,67.705 h1.52
  text "- 3 FIDUCIALS SHOULD LIE ON TWO LINES THAT INTERSECT AT A RIGHT ANGLE" at 89.823,65.205 h1.52
  text "- PLACE ONE FIDUCIAL INTO EACH PANEL CORNER (FOUR ON THE TOP LAYER)" at 89.823,62.705 h1.52
  text "28Pins" at -17.768,-34.052 h3
  text ".VersionRevision" at 54.232,-34.052 h3
  text "Based on .source" at 20.066,-41.529 h1.52
  text "Begue Cedric" at -18.268,-44.052 h1.52
  text "\"Learn to design your own boards\"" at 18.161,-44.831 h1.52
  text "Contact:" at -18.268,-51.552 h1.52
  text "cedric.beguesh@gmail.com" at -3.268,-51.552 h1.52
License:
  text "LICENCE" at 83.766,41.68 h1.52
  text "AUTHOR OF THE ORIGINAL DESIGN: FEDEVEL 2015" at 83.966,37.18 h1.52
  text "WEBSITE OF THE ORIGINAL DESIGN : http://www.28pins.com" at 83.966,34.68 h1.52
  text "This is a human-readable summary of the licence. Read full licence at:" at 83.966,29.68 h1.52
  text "https://creativecommons.org/licenses/by-sa/3.0/legalcode" at 83.966,27.18 h1.52
  text "You are free to:" at 83.966,22.18 h1.52
  text "Share - copy and redistribute the material in any medium or format" at 83.966,19.68 h1.52
  text "Adapt - remix, transform, and build upon the material" at 83.966,17.18 h1.52
  text "for any purpose, even commercially." at 83.966,14.68 h1.52
  text "The licensor cannot revoke these freedoms as long as you follow the license terms." at 83.966,9.68 h1.52
  text "Under the following terms:" at 83.966,4.68 h1.52
  text "Attribution - You must give appropriate credit, provide a link to the license, and" at 83.966,2.18 h1.52
  text "indicate if changes were made. You may do so in any reasonable manner, but not in any" at 83.966,-0.32 h1.52
  text "way that suggests the licensor endorses you or your use." at 83.966,-2.82 h1.52
  text "ShareAlike - If you remix, transform, or build upon the material, you must distribute your" at 84.02,-7.698 h1.52
  text "contributions under the same license as the original." at 84.02,-10.198 h1.52
  text "No additional restrictions - You may not apply legal terms or technological measures" at 83.766,-15.92 h1.52
  text "that legally restrict others from doing anything the license permits." at 83.766,-18.42 h1.52
  text "Notices:" at 83.766,-23.42 h1.52
  text "You do not have to comply with the license for elements of the material in the public domain or where" at 83.766,-25.92 h1.52
  text "your use is permitted by an applicable exception or limitation." at 83.766,-28.42 h1.52
  text "No warranties are given. The license may not give you all of the permissions necessary for your" at 83.766,-33.42 h1.52
  text "intended use. For example, other rights such as publicity, privacy, or moral rights may limit how you" at 83.766,-35.92 h1.52
  text "use the material." at 83.766,-38.42 h1.52
  text "Based on Arduino uno Rev 3 (with modifications to the schematics and a different layout): http://www.arduino.cc/" at 83.766,-43.42 h1.52
Board Outline:
  lines w0.3: 53.34,0 68.58,0 ; 68.58,0 68.58,53.34 0,53.34 0,0 68.58,0
ASM Top:
  text ".Company" at 31.05,46.425 h1
  text ".project" at 31,44.083 h1
  text "Variant : .variantname" at 40.967,42.364 h1
  text ".versionrevision" at 31,42.325 h1
  text "based on ; .source" at 31,40.317 h1

## Dimensions
0,0 to 2.286,22.098 on Mechanical Drawing
0,0 to 14.605,44.577 on Mechanical Drawing
0,0 to 15.24,50.673 on Mechanical Drawing
0,0 to 66.04,35.433 on Mechanical Drawing
0,0 to 15.24,50.673 on Mechanical Drawing
0,0 to 50.8,2.54 on Mechanical Drawing
0,0 to 63.5,50.8 on Mechanical Drawing
0,0 to 41.656,50.8 on Mechanical Drawing
0,0 to -0.254,47.675 on Mechanical Drawing
0,0 to 2.54,38.608 on Mechanical Drawing
0,0 to 5.05,34.3 on Mechanical Drawing
0,0 to 2.075,12.7 on Mechanical Drawing
0,0 to 2.15,2.075 on Mechanical Drawing
0,0 to 2.15,2.075 on Mechanical Drawing
0,0 to 66.05,7.65 on Mechanical Drawing
0,0 to 27.95,2.525 on Mechanical Drawing
0,0 to 68.58,0 on Mechanical Drawing
0,53.34 to 0,0 on Mechanical Drawing

## Text inside footprints (layer, text, board x,y; h text height)
J1: Top Overlay "1" at 28.502,0.454 h1 r90
J2: Top Overlay "1" at 51.362,0.454 h1 r90
J3: Top Overlay "1" at 63.85,52.475 h1 r90
J4: Top Overlay "1" at 41.975,52.525 h1 r90
J5: Top Overlay "1" at 0.632,46.707 h1
J6: Top Overlay "1" at 0.6,38.175 h1
JP1: Top Overlay "1" at 67.815,46.479 h1
JP2: Top Overlay "1" at 6.75,33.7 h1
JP3: Top Overlay "1" at 12.514,44.038 h1
JP4: Top Overlay "1" at 9.7,8.05 h1